# Altium PCB 协处理器转接板.PcbDoc
Units mil, origin at the board's own origin, x right, y up, seen from the top; angles counter-clockwise.
Board outline 5835 x 5250 mil, 2 copper layers (Top Layer, Bottom Layer); 8 components, 15 nets, 110 pads, 2 vias.
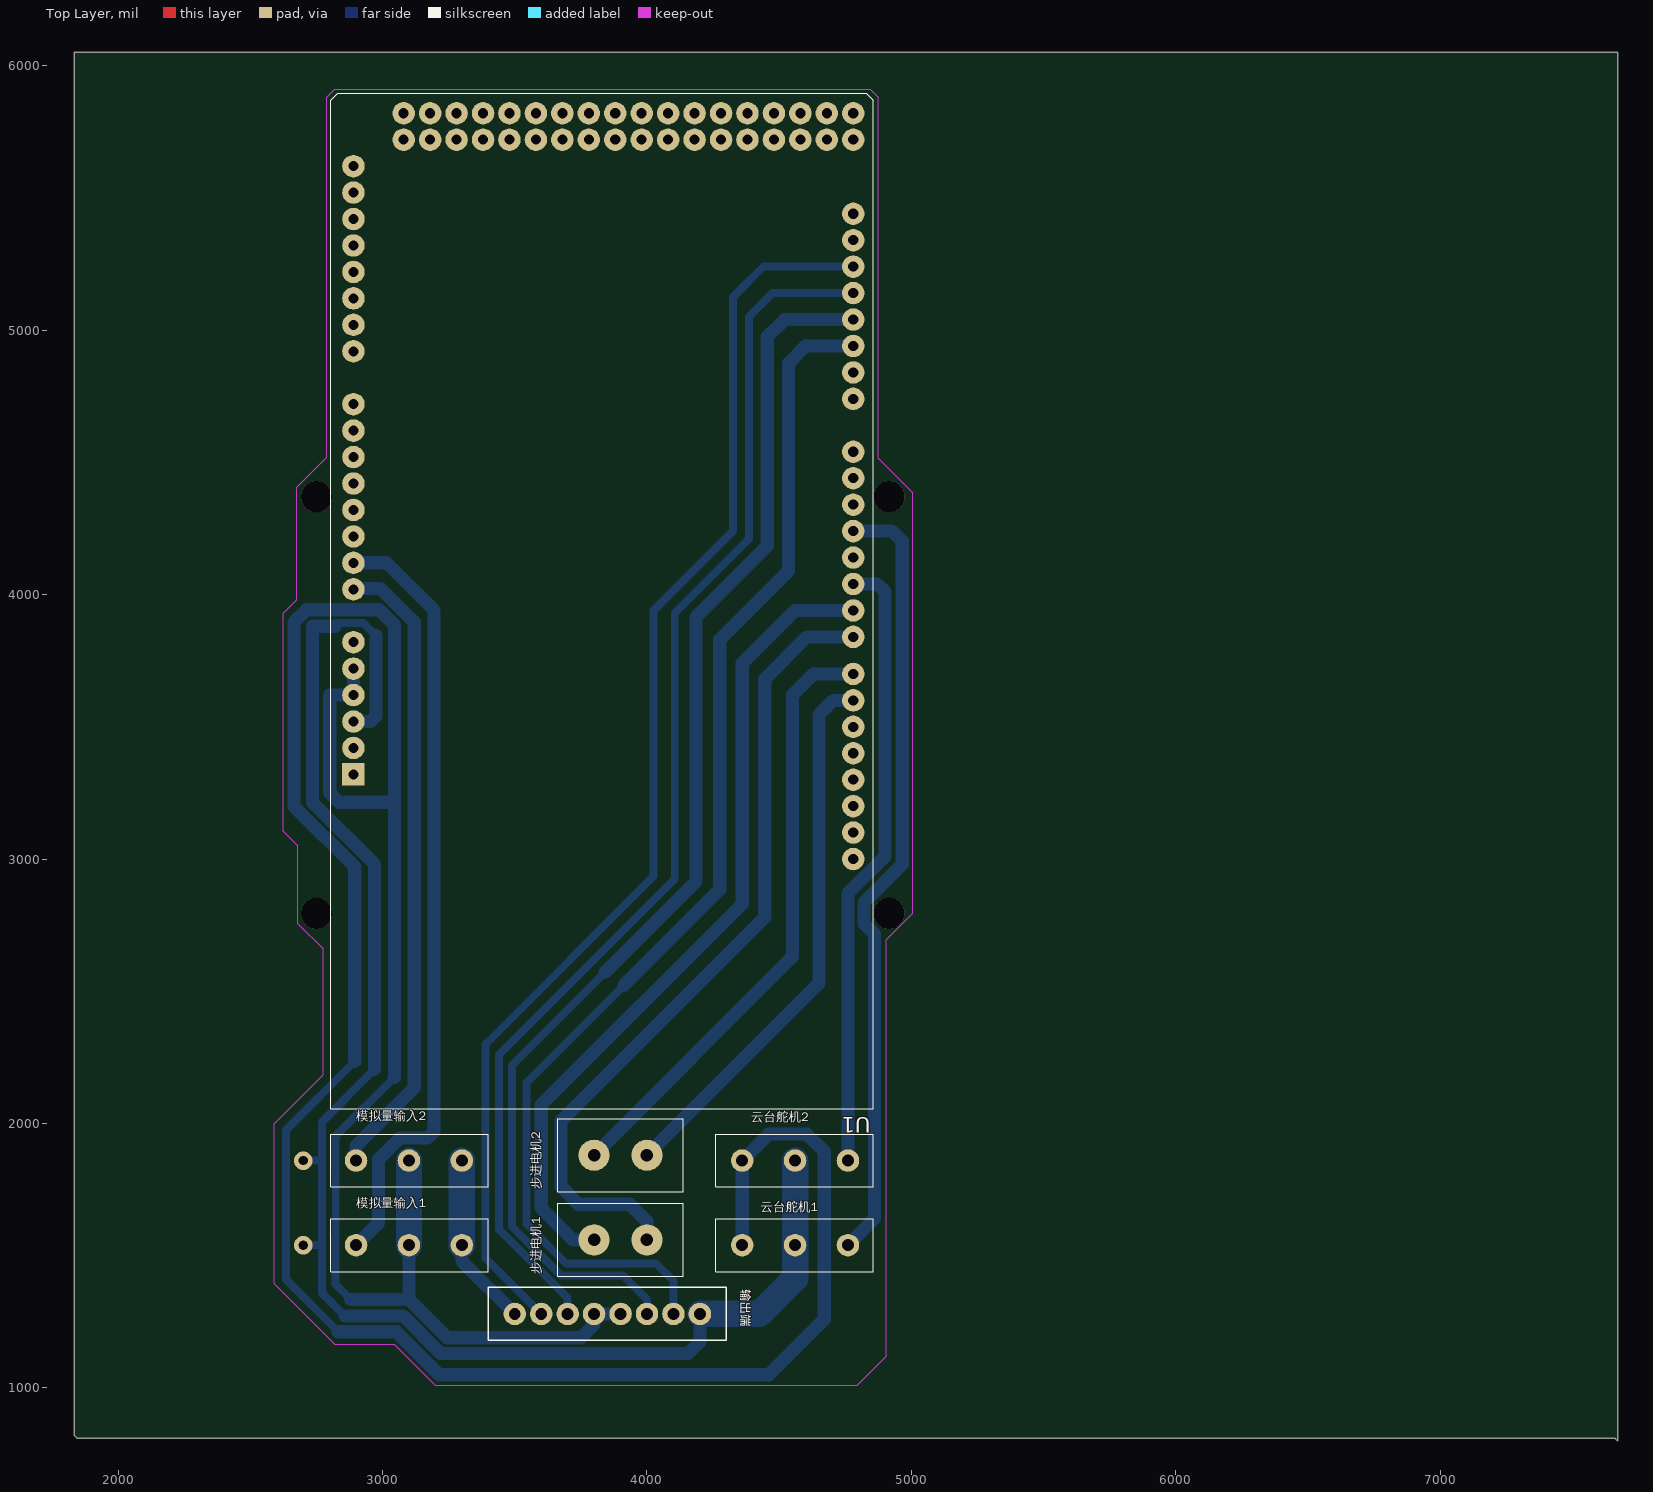
[diagram p0: Top Layer view]
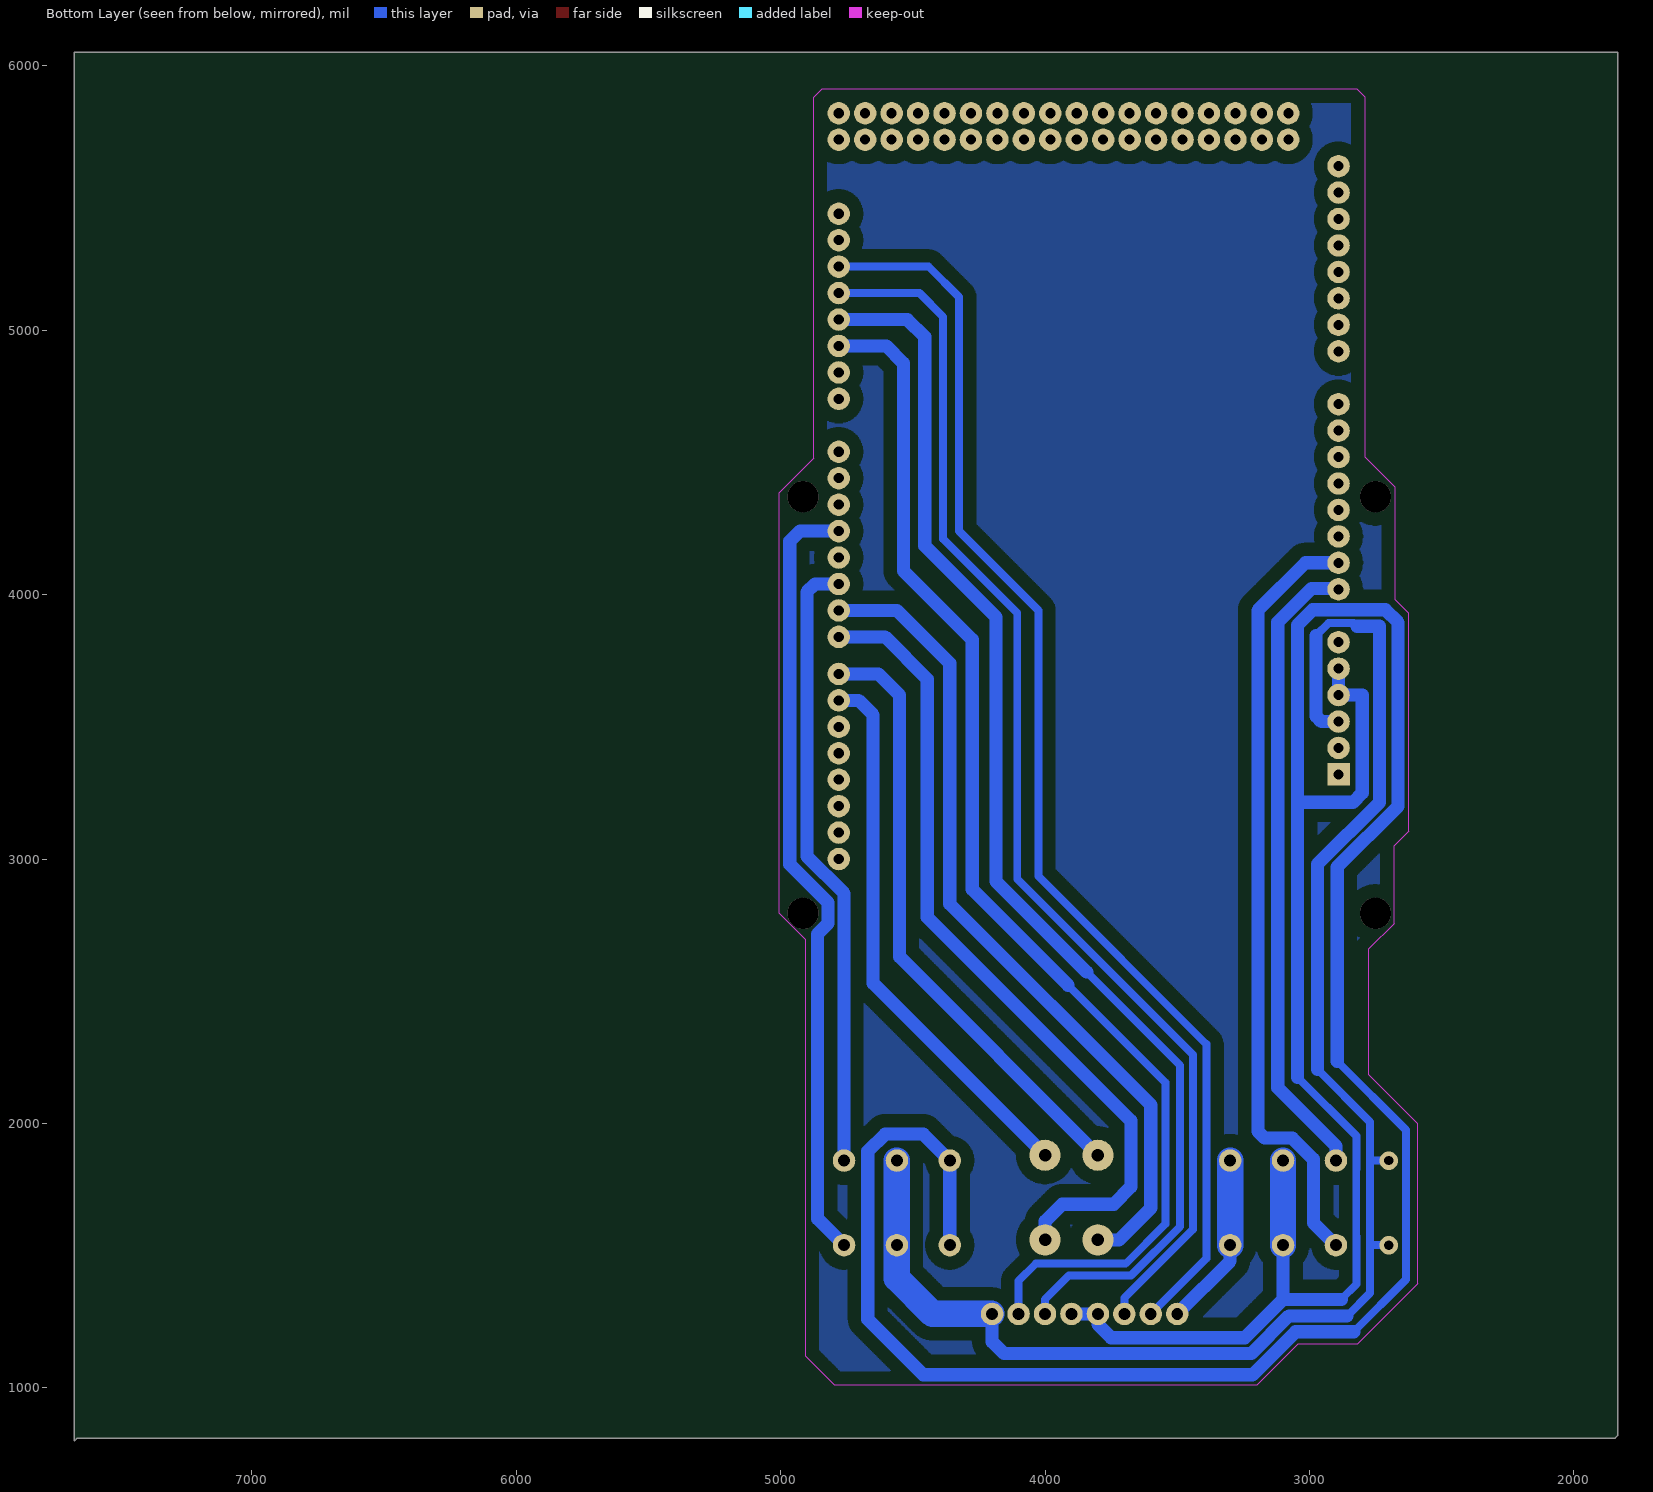
[diagram p1: Bottom Layer view, seen from below]

## Layer stack, top to bottom
Top Layer: signal copper 1.4
Dielectric: dielectric 12.6, FR-4, Dk 4.8
Bottom Layer: signal copper 1.4

## Board outline
1835,6050 7670,6050 7670,800 7660,810 1845,810 1835,820 1835,6050

## Design rules (kind name [scope] priority, off if disabled: settings)
Clearance [All] p1: gap=50
PolygonConnect [All] p1: connectstyle=Relief reliefconductorwidth=10 reliefentries=4 polygonreliefangle="90 Angle"
RoutingVias [All] p1: holewidth=28 width=50 viastyle="Through Hole" minholewidth=28 minwidth=50 maxholewidth=28 maxwidth=50
SilkscreenOverComponentPads [All] p1: minsilkscreentomaskgap=10
SolderMaskExpansion [All] p1: expansion=4
Width [All] p1: maxlimit=1000 minlimit=10 preferedwidth=50
27 further rules are at their usual default settings.

## Components (designator, comment, footprint, x,y, rotation, side; value= is the part's Value field where it differs from the comment)
U1 "ARDUINO 2560" "ARDUINO 2560" 4780,3320 r180 top
云台舵机1 "SIP3" SIP3-3MM 4760,1540 r180 top
云台舵机2 "SIP3" SIP3-3MM 4760,1860 r180 top
模拟量输入1 "SIP3" SIP3-3MM 2900,1540 r0 top
模拟量输入2 "SIP3" SIP3-3MM 2900,1860 r0 top
步进电机1 "SIP2" SIP2-3MM 4000,1560 r180 top
步进电机2 "SIP2" SIP2-3MM 4000,1880 r180 top
输出端 "SIP8" SIP8 4200,1280 r270 top

## Footprints (in the part's own frame and the unit in brackets; to place one, negate y for a bottom-side part, rotate by r counter-clockwise, add the part's x,y. Pads: shape width x height; smd on the part's side, far side on the other; paste and mask are expansions set on the pad)
"ARDUINO 2560" [mil]
  rect 85x85 hole 38: 1(1890,0)
  round 85 hole 38: 2(1890,-100) 3(1890,-200) 4(1890,-300) 5(1890,-400) 6(1890,-500) 7(1890,-700) 8(1890,-800) 9(1890,-900) 10(1890,-1000) 11(1890,-1100) 12(1890,-1200) 13(1890,-1300) 14(1890,-1400) 15(1890,-1600) 16(1890,-1700) 17(1890,-1800) 18(1890,-1900) 19(1890,-2000) 20(1890,-2100) 21(1890,-2200) 22(1890,-2300) 23(100,-2400) 24(100,-2500) 25(200,-2400) 26(200,-2500) 27(300,-2400) 28(300,-2500) 29(400,-2400) 30(400,-2500) 31(500,-2400) 32(500,-2500) 33(600,-2400) 34(600,-2500) 35(700,-2400) 36(700,-2500) 37(800,-2400) 38(800,-2500) 39(900,-2400) 40(900,-2500) 41(1000,-2400) 42(1000,-2500) 43(1100,-2400) 44(1100,-2500) 45(1200,-2400) 46(1200,-2500) 47(1300,-2400) 48(1300,-2500) 49(1400,-2400) 50(1400,-2500) 51(1500,-2400) 52(1500,-2500) 53(1600,-2400) 54(1600,-2500) 55(1700,-2400) 56(1700,-2500) 57(0,-2120) 58(0,-2020) 59(0,-1920) 60(0,-1820) 61(0,-1720) 62(0,-1620) 63(0,-1520) 64(0,-1420) 65(0,-1220) 66(0,-1120) 67(0,-1020) 68(0,-920) 69(0,-820) 70(0,-720) 71(0,-620) 72(0,-520) 73(0,-380) 74(0,-280) 75(0,-180) 76(0,-80) 77(0,20) 78(0,120) 79(0,220) 80(0,320) 81(0,-2500) 82(0,-2400)
  silkscreen extent -75,-2575 1975,1265
SIP2-3MM [mm]
  round 3 hole 1.2: 1(0,0) 2(5.08,0)
  silkscreen extent -3.51,-3.51 8.59,3.51
SIP3-3MM [mil]
  round 85 hole 45: 1(0,0) 2(200,0) 3(400,0)
  silkscreen extent -95,-100 500,100
SIP8 [mil]
  round 85 hole 45: 1(0,0) 2(0,-100) 3(0,-200) 4(0,-300) 5(0,-400) 6(0,-500) 7(0,-600) 8(0,-700)
  silkscreen extent -100,-800 100,100

## Free pads (board coordinates)
  round 118.11 hole 118.11: 0(2750,4370) 1(4915.35,4370) 2(2750,2795) 3(4915,2795)

## Via types
v1: diameter 70, hole 35, Top Layer to Bottom Layer, 2 vias

## Nets (pads, with @x,y where several pads share a name; then routed paths per layer and width w, separated by ;. In a path a pad name is that pad's centre, name@x,y a point inside that pad or via, vN(x,y) a via of type N, cw(c..) or ccw(c..) an arc to the next point about the centre after c; other vN are vias at no path point)
5V: U1.3 云台舵机1.2 云台舵机2.2 输出端.1 | length 6013.8
  Bottom Layer w30: v1(2700,1540) 2771,1540 ; v1(2700,1860) 2766,1860 2771,1865 ; 2820,3880 2832.5,3892.5 2927.5,3892.5 2975,3845 ; 2857.57,1272.57 2771,1359.15 2771,1540 ; 2970,2205 2771,2006 2771,1865 ; 2771,1540 2771,1865
  Bottom Layer w50: 2820,3880 2735,3880 2735,3215 2970,2980 2970,2205 ; 2857.57,1272.57 3077.57,1272.57 3220.15,1130 4155,1130 4200,1175 输出端.1 ; U1.3 2955,3520 2975,3540 2975,3845
  Bottom Layer w100: 输出端.1@4202.5,1280 4425,1280 4560,1415 云台舵机1.2 云台舵机2.2
9V: 模拟量输入1.3 模拟量输入2.3 输出端.8 | length 662.8
  Bottom Layer w50: 模拟量输入1.3 3300,1480 输出端.8
  Bottom Layer w100: 模拟量输入1.3 模拟量输入2.3
GND: U1.4 U1.5 云台舵机1.3 云台舵机2.3 模拟量输入1.2 模拟量输入2.2 输出端.4 输出端.5 | length 11867.4
  Bottom Layer w30: 2832.72,1212.57 2635,1410.29 2635,1975 2895,2235 ; 2880,1335 2822.5,1392.5 2822.5,1572.1 2823,1572.6 2823,1827.4 2822.5,1827.9 2822.5,1952.5 3045,2175
  Bottom Layer w50: 2832.72,1212.57 3052.72,1212.57 3215.29,1050 4460,1050 4670,1260 4670,1895 4605,1960 4460,1960 云台舵机2.3 云台舵机1.3 ; 2880,1335 3100,1335 ; U1.5 U1.4 2800,3620 2800,3250 2835,3215 3045,3215 ; 2895,2235 2895,2970 2665,3200 2665,3894.85 2712.65,3942.5 2987.65,3942.5 3045,3885.15 3045,2175 ; 模拟量输入1.2 3100,1335 ; 输出端.4 输出端.5 3800,1240 3750,1190 3245,1190 3100,1335
  Bottom Layer w100: 模拟量输入1.2 模拟量输入2.2
NetU1_7: U1.7 模拟量输入2.1 | length 2410
  Bottom Layer w50: U1.7 2892.5,4022.5 2992.5,4022.5 3120,3895 3120,2135 2900,1915 模拟量输入2.1
NetU1_8: U1.8 模拟量输入1.1 | length 2963.3
  Bottom Layer w50: U1.8 3015,4120 3195,3940 3195,1970.15 3169.85,1945 3064.79,1945 2985,1865.21 2985,1625 模拟量输入1.1
NetU1_59: U1.59 输出端.7 | length 4821.9
  Bottom Layer w30: 输出端.7 3390,1490 3390,2300 4025,2935 4025,3940 4325,4240 4325,5125 4440,5240 U1.59
NetU1_60: U1.60 输出端.6 | length 4701.4
  Bottom Layer w30: 输出端.6 3700,1340 3440,1600 3440,2260 4105,2925 4105,3930 4385,4210 4385,5050 4475,5140 U1.60
NetU1_61: U1.61 输出端.3 | length 4795.5
  Bottom Layer w30: 3842.5,2572.5 3490,2220 3490,1610 3675,1425 3910,1425 4000,1335 输出端.3
  Bottom Layer w50: 3842.5,2572.5 4185,2915 4185,3915 4455,4185 4455,4975 4520,5040 U1.61
NetU1_62: U1.62 输出端.2 | length 4681.2
  Bottom Layer w30: 3895,2505 3545,2155 3545,1620 3695,1470 4035,1470 4100,1405 输出端.2
  Bottom Layer w50: 3912.57,2522.57 4275,2885 4275,3830 4535.15,4090.15 4535.15,4875.15 4600,4940 U1.62
NetU1_68: U1.68 云台舵机1.1 | length 2979.7
  Bottom Layer w50: 云台舵机1.1 4860,1640 4860,2716.99 4820.94,2756.04 4820.94,2835.94 4965,2980 4965,4201.48 4926.48,4240 U1.68
NetU1_70: U1.70 云台舵机2.1 | length 2340.4
  Bottom Layer w50: 云台舵机2.1 4760,2870 4900,3010 4900,4010 4870,4040 U1.70
NetU1_71: U1.71 步进电机1.2 | length 3127.4
  Bottom Layer w50: 步进电机1.2 3720,1560 3600,1680 3600,2070 4360,2830 4360,3740 4560,3940 U1.71
NetU1_72: U1.72 步进电机1.1 | length 3089.1
  Bottom Layer w50: 步进电机1.1 4000,1630 3935,1695 3740,1695 3675,1760 3675,2010 4445,2780 4445,3680 4605,3840 U1.72
NetU1_73: U1.73 步进电机2.2 | length 2313.8
  Bottom Layer w50: 步进电机2.2 4550,2630 4550,3620 4630,3700 U1.73
NetU1_74: U1.74 步进电机2.1 | length 2087
  Bottom Layer w50: 步进电机2.1 4650,2530 4650,3545 4705,3600 U1.74
pads on no net: U1.1 U1.2 U1.6 U1.9 U1.10 U1.11 U1.12 U1.13 U1.14 U1.15 U1.16 U1.17 U1.18 U1.19 U1.20 U1.21 U1.22 U1.23 U1.24 U1.25 U1.26 U1.27 U1.28 U1.29 U1.30 U1.31 U1.32 U1.33 U1.34 U1.35 U1.36 U1.37 U1.38 U1.39 U1.40 U1.41 U1.42 U1.43 U1.44 U1.45 U1.46 U1.47 U1.48 U1.49 U1.50 U1.51 U1.52 U1.53 U1.54 U1.55 U1.56 U1.57 U1.58 U1.63 U1.64 U1.65 U1.66 U1.67 U1.69 U1.75 U1.76 U1.77 U1.78 U1.79 U1.80 U1.81 U1.82

## Polygon pours and split planes (outlines as drawn)
no net on Bottom Layer "Mechanical 1-No Net" (hatched 90Degree grid 3 track 4): 3200,1010 4795,1010 4905,1120 4905,2695 5005,2795 5005,4385 4875,4515 4875,5880 4845,5910 2820,5910 2790,5880 2790,4530 2790,4520 2675,4405 2675,3980 2625,3930 2625,3105 2680,3050 2680,2755 2775,2660 2775,2185 2590,2000 2590,1395 2820,1165 3045,1165 3200,1010

## Keep-outs
Keep-Out Layer:
  lines w3: 2590,1395 2820,1165 3045,1165 3200,1010 3935,1010 4795,1010 4905,1120 4905,2695 5005,2795 5005,4385 4875,4515 4875,5880 4845,5910 2820,5910 2790,5880 2790,4520 2675,4405 2675,3980 2625,3930 2625,3105 2680,3050 2680,2755 2775,2660 2775,2185 2590,2000 2590,1395